# Allegro board OE19_backplane_1v02_b_0705_0920_customer.brd (continued)
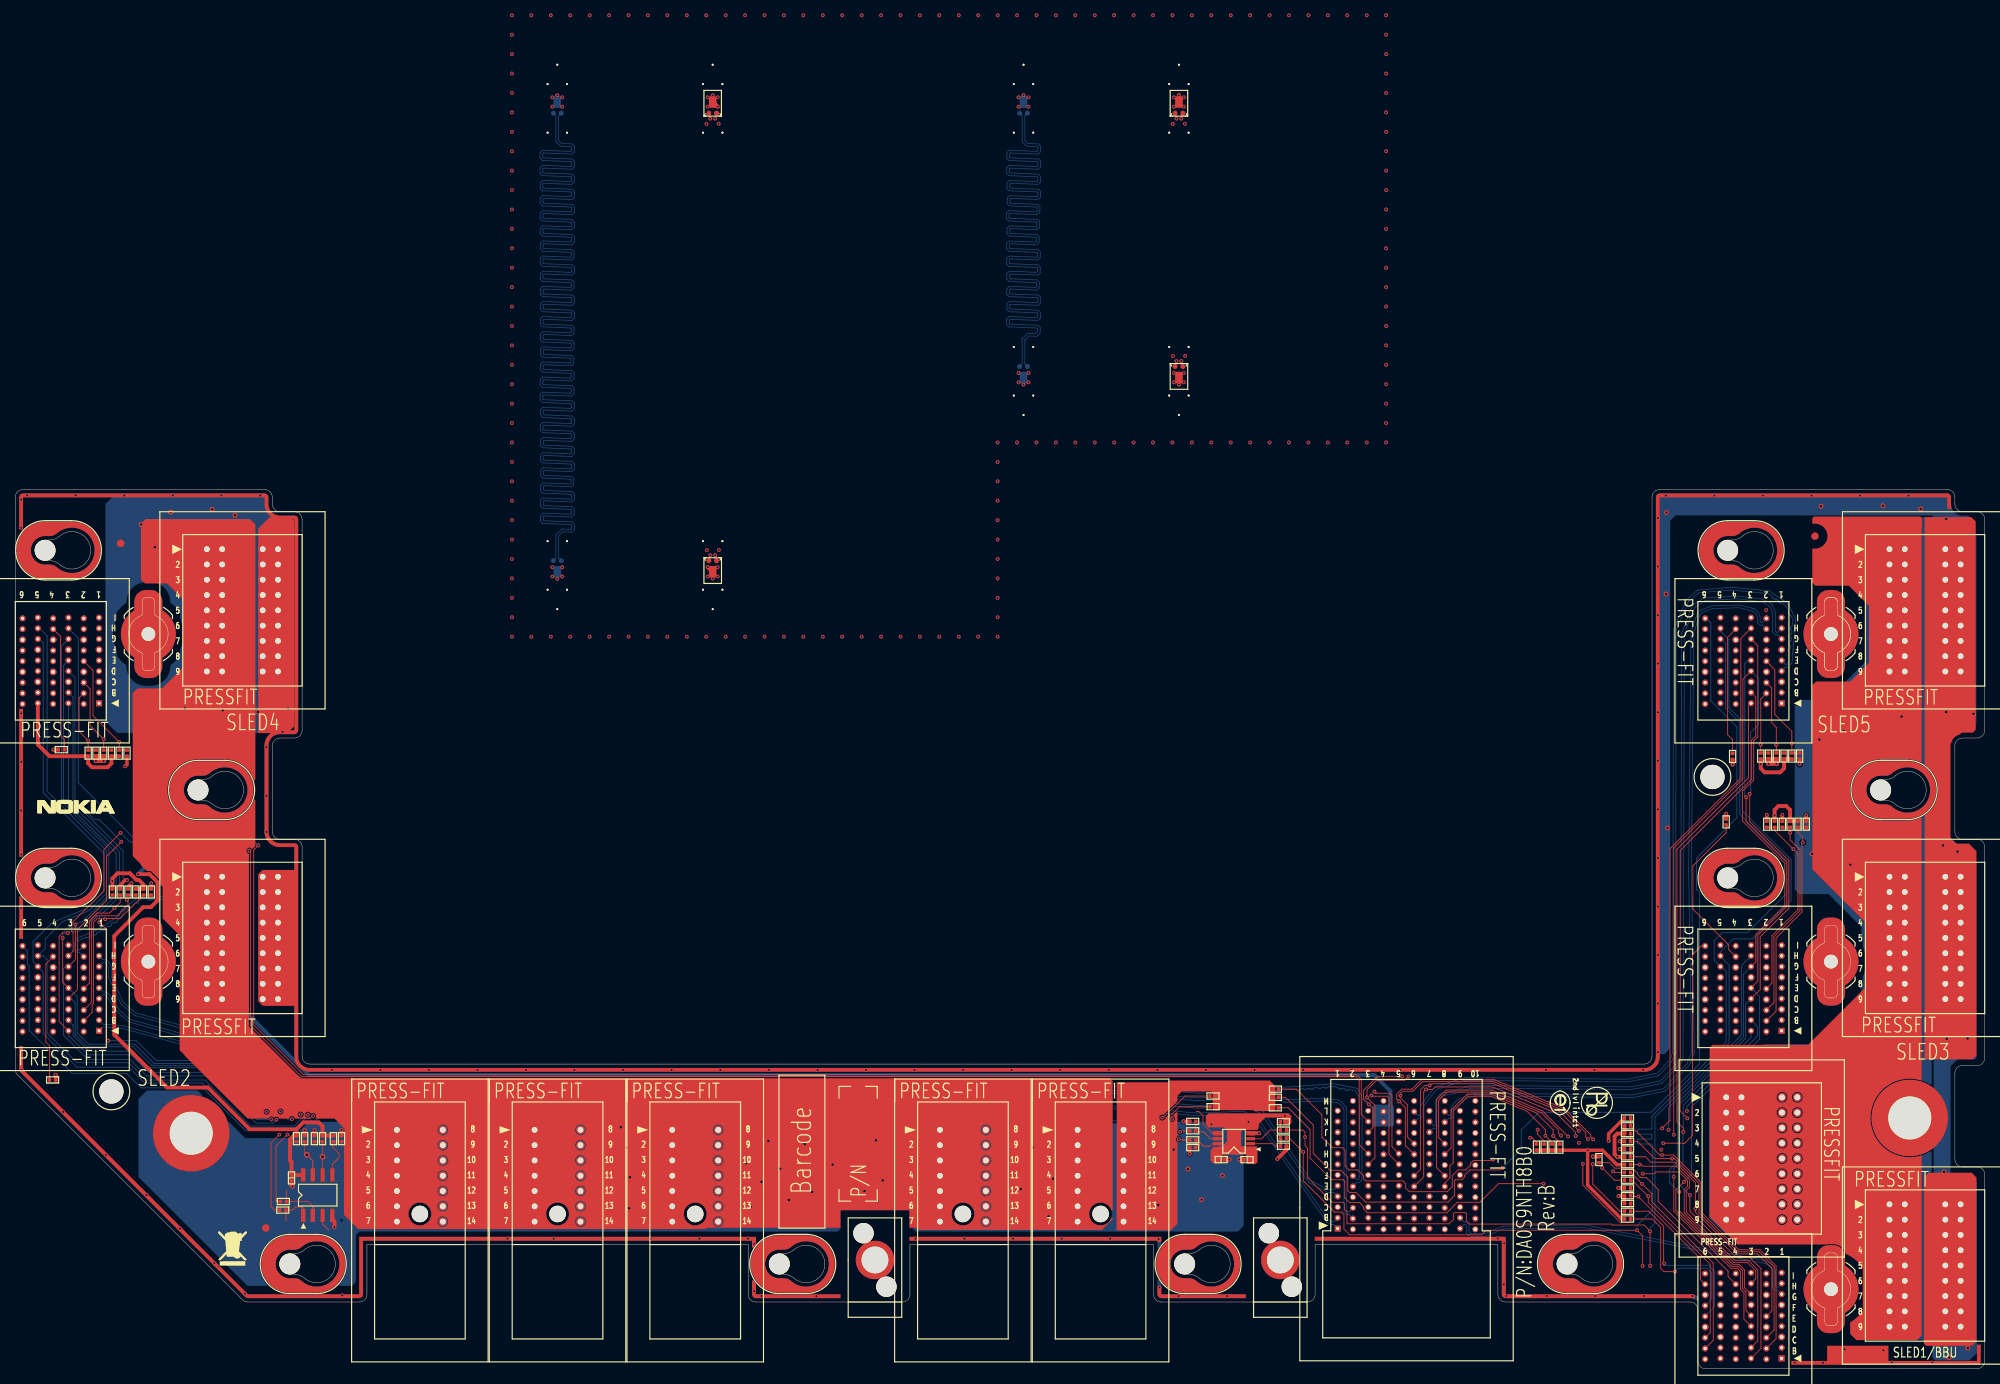
[diagram p0: board, top side]
## Routing (per net, layer and track width the routed paths; a pad name or vN(x,y) marks a point on that pad's centre or on a via; arc(x,y) is an arc through that point) (continued)
FM_BMC_SLED3_READY_N: length 72.1
  TOP w0.114: v1(203.01,30.38) 203.01,30.38 199.68,33.71 193.08,36.44 187.07,36.44 185.84,35.21 185.84,26.29 J8.F8
  IN1 w0.127: v1(203.01,30.38) 205.21,32.58 213.16,32.58 214.76,30.98 215.9,30.98 v1(216.16,31.24)
  BOTTOM w0.114: J10.H3 225.7,52.75 225.7,43.67 216.16,34.12 v1(216.16,31.24)
FM_BMC_SLED4_READY_N: length 225.1
  TOP w0.114: J8.K3 175.98,33.25 175.98,37.86 175.37,38.47 37.68,38.47 31.17,44.98 31.17,67.85 v1(31.77,68.45)
  BOTTOM w0.114: J11.H3 8.24,95.56 8.24,76.65 15.57,69.32 30.9,69.32 v1(31.77,68.45)
FM_BMC_SLED5_READY_N: length 109.6
  TOP w0.114: J12.H3 225.61,95.51 225.61,77.27 216.34,68 216.34,32.47 v1(215.32,31.45) ; J8.I8 186.11,30.23 186.11,35.1 187.18,36.18 193.02,36.18 199.53,33.48 201.79,31.23 201.79,30.8 v1(202.11,30.48)
  IN1 w0.127: v1(202.11,30.48) 204.68,33.05 213.36,33.05 214.95,31.45 v1(215.32,31.45)
FM_RMC_GPIO_0: length 450.7
  TOP w0.114: v1(216.84,25.11) 216.84,20.62 224.35,13.11 225.15,13.11 225.56,12.7 225.56,10.38 226.02,9.93 226.02,6.48 J7.D3 ; v1(13.87,68.94) 11.91,66.98 11.91,61.21 8.12,57.42 8.12,49.57 J9.D3 ; v1(216.85,30.61) 216.85,68.12 225.88,77.16 225.88,90.18 J12.D3 ; J10.D3 228.14,49.59 228.14,56.48 231.89,60.24 231.89,66.46 226.77,71.59 v1(226.77,75.2) ; J8.F6 183.73,26.06 183.73,36.46 184.32,37.05 v1(184.91,37.05) 185.14,37.28 193.25,37.28 201.84,33.72 204.43,31.13 v1(204.43,31.12)
  IN1 w0.127: v1(204.43,31.12) 205.55,32.25 212.71,32.25 214.35,30.61 v1(216.85,30.61) ; v1(184.91,37.05) 181.02,37.05 179.56,38.52 37.35,38.52 32.86,34.02 v1(32.86,33.61)
  BOTTOM w0.114: v1(32.86,33.61) 31.76,33.61 25.72,39.65 17.89,39.65 15.42,42.12 9.41,42.12 7.83,43.7 7.83,47.88 7.31,48.4 J9.D3 ; v1(216.84,25.11) 216.84,26.2 217.62,26.98 217.62,34.61 226.24,43.23 226.24,47.69 J10.D3 ; J11.D3 7.8,90.4 7.8,74.39 10.37,71.83 10.97,71.83 v1(13.87,68.94) ; J12.D3 226.97,91.25 227.91,90.32 227.91,84.22 226.9,83.22 226.9,75.33 v1(226.77,75.2)
FM_RMC_GPIO_1: length 388.3
  TOP w0.114: v1(6.19,56.37) 6.19,50.56 J9.E3 ; J8.H6 181.75,29.19 181.75,30.21 181.74,30.22 181.74,34.15 v1(180.92,34.97) 180.61,35.28 180.61,35.9 181.28,36.56 182.62,36.56 183.87,37.82 193.35,37.82 202.6,33.99 205.98,30.61 205.98,30.34 v1(206.3,30.01) ; v1(226.3,74.77) 226.3,71.56 231.63,66.23 231.63,60.47 227.84,56.68 227.84,50.69 J10.E3 ; J7.E3 226.29,7.61 226.29,10.04 225.83,10.49 225.83,12.81 225.26,13.38 224.46,13.38 217.11,20.73 217.11,23.38 v1(218.18,24.44)
  IN1 w0.127: v1(206.3,30.01) 207.04,29.27 212.78,29.27 214.89,27.16 215.46,27.16 v1(218.18,24.44) ; v1(180.92,34.97) 180.61,35.29 180.61,35.78 179.08,37.3 38.22,37.3 34.67,33.75 v1(34.67,33.64)
  BOTTOM w0.114: J11.E3 6.31,92.01 6.31,74.32 13.18,67.45 13.18,62.53 8.4,57.74 8.19,57.66 6.86,57.66 6.19,56.99 v1(6.19,56.37) ; J12.E3 226.55,92.65 226.13,92.23 226.13,74.94 v1(226.3,74.77) ; J10.E3 228.05,48.7 228.05,43.1 219.17,34.21 219.17,25.43 v1(218.18,24.44) ; v1(34.67,33.64) 34.2,34.11 31.74,34.11 25.94,39.91 18.15,39.91 15.62,42.44 9.58,42.44 8.1,43.93 8.1,48.65 J9.E3
FM_RMC_GPIO_2: length 391.6
  TOP w0.114: J9.G3 7.86,53.51 v1(7.86,58.12) ; J12.G3 227.83,94.57 227.83,82.64 227.29,82.1 227.29,77.01 225.83,75.55 225.83,71.65 231.36,66.12 231.36,60.58 227.57,56.79 227.57,53.22 J10.G3 ; J7.G3 226.1,10.6 226.1,12.93 225.37,13.65 224.57,13.65 217.58,20.65 v1(217.58,23.11) ; J8.I6 182.01,30.33 182.01,34.54 181.11,35.44 v1(181.11,35.74) 181.11,36.02 181.39,36.3 182.73,36.3 183.98,37.55 193.3,37.55 202.44,33.76 205.34,30.87 205.34,30.32 v1(205.62,30.03)
  IN1 w0.127: v1(181.11,35.74) 179.22,37.63 164.55,37.63 164.53,37.65 38.01,37.65 34.14,33.78 v1(34.14,32.58) ; v1(205.62,30.03) 205.62,30.02 206.7,28.94 208.86,28.94 209.55,28.26 212.96,28.26 217.58,23.64 v1(217.58,23.11)
  BOTTOM w0.114: J9.G3 6.55,52.6 6.29,52.33 6.29,43.65 9.48,40.46 15,40.46 17.15,38.31 25.29,38.31 31.48,32.12 33.68,32.12 v1(34.14,32.58) ; J10.G3 225.97,51.62 225.97,43.43 217.36,34.82 217.36,27.09 216.26,25.98 216.26,24.43 v1(217.58,23.11) ; J11.G3 6.05,94.55 6.05,74.21 12.23,68.03 12.23,61.95 8.78,58.51 v1(7.86,58.12)
FM_SLED1_PRSNT_N: length 85.8
  TOP w0.114: R36.2 v1(212.37,26.7) 212.62,26.7 212.83,26.48 217.17,26.48 218.91,24.75 218.91,23.73 218.48,23.31 218.48,20.5 224.79,14.18 226.56,14.18 227.83,12.91 227.83,3.63 J7.B3
  IN1 w0.127: v1(212.37,26.7) 212.62,26.7 213.36,25.96 213.36,25.26 213.11,25.01 198.47,25.01 195.3,28.18 195.3,31.67 191.31,35.66 188.94,35.66 188.09,34.81 188.09,20.83 J8.B8
FM_SLED2_PRSNT_N: length 217.2
  TOP w0.114: v1(182.15,38.23) 181.65,37.73 177.98,37.73 176.73,36.48 v1(176.73,35.49) 177.78,34.45 177.78,27.61 J8.G3 ; R35.2 199.91,29.79 199.04,30.65 v1(199.04,31.27)
  IN1 w0.127: v1(199.04,31.27) 199.04,31.92 192.48,38.48 182.41,38.48 v1(182.15,38.23) ; v1(176.73,35.49) 176.73,35.59 176.32,36.01 39.01,36.01 36.17,33.17 v1(36.17,32.66)
  BOTTOM w0.114: v1(36.17,32.66) 35.59,32.66 35.16,33.09 31.71,33.09 25.41,39.38 17.54,39.38 15.39,41.53 9.62,41.53 7.56,43.59 7.56,44.94 6.95,45.55 J9.B3
FM_SLED3_PRSNT_N: length 62.7
  TOP w0.114: J8.E8 186.9,24.3 187.58,24.98 187.58,26.53 188,26.95 188,33.7 189.95,35.64 192.92,35.64 197.63,33.69 200.06,31.26 v1(200.06,30.47) 200.92,29.61 R34.2
  IN1 w0.127: v1(218.57,33.71) 203.3,33.71 v1(200.06,30.47)
  BOTTOM w0.114: v1(218.57,33.71) 218.57,34.28 227.79,43.5 227.79,44.76 J10.B3
FM_SLED4_PRSNT_N: length 255.9
  TOP w0.114: v1(198.07,30.21) 198.33,30.21 198.89,29.65 R33.2 ; J8.J3 177.51,31.54 177.51,34.05 v1(176.97,34.59) 176.27,35.29 176.27,36.39 178.12,38.25 v1(181.34,38.25) ; v1(11,58.39) 11.94,57.45 11.94,43.11 v1(12.13,42.92)
  IN1 w0.127: v1(176.97,34.59) 175.93,35.63 39.16,35.63 37.48,33.94 37.48,33.4 v1(37.32,33.24) ; v1(181.34,38.25) 181.83,37.76 182.46,37.76 182.85,38.15 192.34,38.15 198.07,32.43 v1(198.07,30.21)
  BOTTOM w0.114: v1(11,58.39) 11,59.16 14.09,62.25 14.09,67.73 7.54,74.28 7.54,87.86 J11.B3 ; v1(37.32,33.24) 35.92,33.24 34.7,34.46 31.85,34.46 26,40.31 18.43,40.31 15.83,42.92 v1(12.13,42.92)
FM_SLED5_PRSNT_N: length 103.4
  TOP w0.114: J8.H8 187.73,28.87 187.73,33.81 189.84,35.91 192.97,35.91 198.84,33.48 201.08,31.24 v1(201.08,30.45) 201.94,29.59 R30.2 ; J12.B3 227.56,87.84 227.56,82.75 227.03,82.21 227.03,77.12 217.68,67.78 217.68,33.7 v1(218.63,32.76)
  IN1 w0.127: v1(201.08,30.45) 204,33.38 218.01,33.38 v1(218.63,32.76)
IRQ_RMC_ALERT_N: length 400.7
  TOP w0.114: v1(218.94,22.71) 218.94,20.63 224.97,14.6 226.74,14.6 228.25,13.09 228.25,2.65 J7.A3 ; v1(6.85,57) 6.17,57 5.73,56.56 5.73,45.42 J9.A3 ; J12.A3 226.61,86.71 226.61,77.29 217.26,67.95 217.26,32.29 218.09,31.47 v1(218.09,30.96) ; v1(204.02,30.45) 204.02,30.91 201.53,33.4 193.16,36.86 185.66,36.86 185.33,36.53 v1(184.45,36.53) 184.15,36.23 184.15,25.08 J8.E6
  IN1 w0.127: v1(33.47,32.61) 33.47,33.87 37.69,38.09 179.38,38.09 180.93,36.53 v1(184.45,36.53) ; v1(218.09,30.96) 217.26,30.14 214.21,30.14 212.99,31.35 205.88,31.35 204.97,30.45 v1(204.02,30.45)
  BOTTOM w0.114: v1(6.85,57) 7.07,57.21 8.2,57.21 8.63,57.39 13.64,62.39 13.64,67.59 6.95,74.28 J11.A3 ; J10.A3 226.95,43.33 218.09,34.47 v1(218.09,30.96) 218.04,30.92 218.04,26.7 217.45,26.11 217.45,24.21 v1(218.94,22.71) ; v1(33.47,32.61) 31.59,32.61 25.43,38.77 17.44,38.77 15.14,41.07 9.48,41.07 6.95,43.6 J9.A3
LAN_SLED1_MDIN0: length 53
  IN2 w0.114: J8.C10 191.39,20.55 196.73,20.55 205.38,20.36 217.8,15.19 227.62,15 229.06,14.38 230.16,13.28 230.16,2.4 230.3,2.26 230.46,2.26 J7.B1
LAN_SLED1_MDIN1: length 53.7
  IN2 w0.114: J7.E1 231.44,6.46 232.05,6.46 232.26,6.55 232.31,6.6 232.46,6.95 232.49,7.94 232.3,8.13 232.31,8.48 232.5,8.66 232.51,9 232.33,9.2 232.34,9.54 232.53,9.72 232.54,10.07 232.36,10.26 232.36,10.6 232.56,10.79 232.57,11.13 232.38,11.32 232.39,11.67 232.58,11.85 232.59,12.24 232.59,12.79 232.37,13.14 232.02,13.2 231.83,13.49 231.9,13.83 231.53,14.39 231,14.61 230.69,14.48 230.37,14.61 230.25,14.92 227.88,15.9 220.35,15.97 218.06,16.91 217.74,16.77 217.42,16.91 217.28,17.23 216.97,17.37 216.64,17.23 216.32,17.36 216.18,17.69 206.67,21.63 193.13,24.32 191.39,24.32 J8.E10
LAN_SLED1_MDIN2: length 47.1
  BOTTOM w0.099: J7.H1 230.43,10.63 230.29,10.63 230.13,10.79 230.13,12.88 229.88,13.48 229.54,13.82 228.81,14.12 205.17,18.82 194.52,18.65 192.12,17.65 190.43,17.65 190.27,17.72 190.12,17.87 190.08,17.98 190.08,18.86 189.73,19.21 189.42,19.21 J8.B9
LAN_SLED1_MDIN3: length 48.4
  IN2 w0.114: J7.I2 228.46,11.96 228.3,11.96 228.16,12.1 228.16,13.14 227.78,13.52 227.24,13.74 219.29,13.81 217.85,13.81 205.26,19.02 195.96,19.25 194.22,18.92 191.16,17.65 190.45,17.65 190.11,17.99 190.11,23.06 189.73,23.45 189.39,23.45 J8.E9
LAN_SLED1_MDIP0: length 53
  IN2 w0.114: J7.A1 230.46,1.84 230.12,1.84 229.74,2.22 229.74,13.1 228.82,14.02 227.53,14.57 217.71,14.77 205.29,19.94 196.72,20.12 191.39,20.12 J8.B10
LAN_SLED1_MDIP1: length 53.6
  IN2 w0.114: J7.D1 231.44,6.04 232.14,6.04 232.5,6.19 232.67,6.36 232.89,6.86 233.02,12.23 233.02,12.92 231.81,14.73 227.97,16.32 220.43,16.39 206.79,22.04 193.17,24.75 191.39,24.75 J8.F10
LAN_SLED1_MDIP2: length 47.1
  BOTTOM w0.099: J8.A9 189.42,18.86 189.58,18.86 189.72,18.72 189.72,17.91 189.82,17.67 190.07,17.42 190.36,17.3 192.19,17.3 194.59,18.29 205.14,18.47 228.71,13.78 229.34,13.52 229.58,13.28 229.77,12.81 229.77,10.64 230.14,10.27 230.43,10.27 J7.G1
LAN_SLED1_MDIP3: length 48.5
  IN2 w0.114: J7.H2 228.46,11.54 228.12,11.54 227.74,11.92 227.74,12.96 227.54,13.16 227.15,13.32 219.29,13.38 217.76,13.38 205.17,18.6 195.99,18.82 194.35,18.51 191.24,17.22 190.27,17.22 189.69,17.81 189.69,22.88 189.55,23.02 189.39,23.02 J8.D9
LAN_SLED2_MDIN0: length 172.5
  BOTTOM w0.099: J9.B1 11.51,45.04 11.97,45.04 14.18,44.83 25.69,41.71 37.21,34.27 41.45,34.39 49.09,33.94 62.97,34.36 65.1,34.21 71.59,34.59 84.85,34.49 99.57,33.55 120.69,34.59 131.16,33.79 140.67,34.61 154.56,33.44 157.52,33.55 160.61,33.67 162.54,32.65 171.68,19.46 172.16,19.21 172.38,19.21 J8.B1
LAN_SLED2_MDIN1: length 172.1
  BOTTOM w0.099: J9.E1 11.47,49.28 11.86,49.28 12.19,49.09 13.21,47.41 13.77,46.75 14.99,45.69 26.01,42.67 37.49,35.26 42.16,35.4 46.1,35.17 58.97,35.56 60.34,35.53 65.11,35.2 71.57,35.58 84.88,35.48 99.58,34.54 120.7,35.57 131.15,34.78 140.67,35.6 154.58,34.42 160.79,34.67 163.12,33.66 169.41,24.6 171.68,23.41 172.38,23.41 J8.E1
LAN_SLED2_MDIN2: length 185.6
  BOTTOM w0.099: J9.H1 11.47,53.48 11.93,53.48 12.28,53.12 12.55,52.49 12.55,51.27 14.13,47.91 15.75,46.54 26.31,43.65 37.76,36.25 42.17,36.39 46.07,36.16 59.64,36.57 65.11,36.19 71.54,36.56 71.56,36.56 84.91,36.46 84.92,36.46 99.58,35.53 120.71,36.56 131.15,35.77 140.67,36.59 154.6,35.41 162.83,35.73 166.25,35.19 170.89,35.38 172.89,35.18 173.46,34.88 173.99,34.23 174.08,33.93 174.08,20.67 174.24,20.51 174.38,20.51 J8.C2
LAN_SLED2_MDIN3: length 202.1
  BOTTOM w0.099: J9.I2 8.43,54.78 8.29,54.78 8.13,54.94 8.13,55.65 8.28,56.02 9.34,56.45 9.51,56.38 9.78,56.5 9.86,56.67 10.13,56.78 10.3,56.71 10.58,56.83 10.65,57 10.99,57.14 11.32,57.36 11.55,57.31 11.79,57.48 11.84,57.7 12.09,57.86 12.31,57.82 12.56,57.98 12.6,58.2 12.85,58.36 13.07,58.32 13.32,58.48 13.36,58.7 13.85,59.02 14.2,59.84 14.92,60.36 15.14,60.32 15.38,60.49 15.42,60.71 15.66,60.88 15.88,60.85 16.12,61.02 16.15,61.24 16.55,61.53 17.25,61.48 17.39,61.32 17.68,61.3 17.85,61.44 18.14,61.42 18.29,61.26 18.58,61.24 18.74,61.38 20.02,61.3 21.13,60.61 22,59.14 22.27,58.17 22.17,52.27 21.97,49.96 22.2,47.68 22.42,46.95 23,46.26 26.21,44.68 38.35,37.01 42.22,37.06 46.21,36.83 59.35,37.22 65.12,36.82 71.53,37.2 84.94,37.09 95.91,36.39 99.59,36.16 121.05,37.21 131.4,36.43 140.67,37.22 154.62,36.04 163.89,36.41 164.06,36.25 164.36,36.26 164.52,36.43 164.82,36.44 164.99,36.28 165.29,36.29 165.45,36.47 167.12,36.53 167.52,36.56 167.67,36.44 167.96,36.46 168.09,36.61 168.39,36.63 168.54,36.5 168.84,36.52 168.96,36.67 169.26,36.69 169.41,36.57 169.71,36.59 169.84,36.74 170.26,36.77 170.4,36.65 170.7,36.67 170.82,36.81 171.12,36.83 171.26,36.71 171.55,36.74 171.67,36.87 172.31,36.92 172.93,36.8 173.05,36.63 173.34,36.57 173.52,36.69 173.81,36.63 173.93,36.46 174.22,36.4 174.4,36.52 175.19,36.37 175.62,35.71 175.72,35.26 175.72,24.87 175.56,24.71 175.42,24.71 J8.F2
LAN_SLED2_MDIP0: length 172.4
  BOTTOM w0.099: J8.A1 172.38,18.86 172.07,18.86 171.44,19.19 162.3,32.38 160.52,33.32 154.55,33.08 147.61,33.67 140.67,34.25 131.16,33.44 120.68,34.23 99.57,33.2 84.84,34.14 71.6,34.24 65.1,33.86 62.96,34.01 49.09,33.59 41.44,34.04 37.11,33.91 25.54,41.38 14.11,44.48 11.95,44.69 11.44,44.69 J9.A1
LAN_SLED2_MDIP1: length 172.1
  BOTTOM w0.099: J8.D1 172.38,23.06 171.59,23.06 169.17,24.33 162.89,33.37 160.72,34.31 154.57,34.07 140.67,35.24 131.15,34.43 120.69,35.22 99.58,34.19 84.87,35.12 71.58,35.23 65.11,34.85 60.32,35.18 58.97,35.2 46.09,34.82 42.15,35.05 37.39,34.9 25.86,42.35 14.82,45.37 13.52,46.5 12.92,47.2 11.94,48.83 11.77,48.92 11.47,48.92 J9.D1
LAN_SLED2_MDIP2: length 185.6
  BOTTOM w0.099: J8.B2 174.38,20.16 174.09,20.16 173.72,20.52 173.72,33.88 173.67,34.06 173.23,34.6 172.79,34.84 170.88,35.02 166.23,34.84 162.81,35.38 154.59,35.06 140.67,36.23 131.18,35.42 131.15,35.42 120.71,36.21 99.58,35.17 92.23,35.64 84.91,36.11 71.55,36.21 65.11,35.83 59.63,36.21 46.06,35.81 42.17,36.04 37.66,35.9 26.16,43.33 15.59,46.22 13.84,47.69 12.19,51.19 12.19,52.42 11.98,52.92 11.78,53.12 11.47,53.12 J9.G1
LAN_SLED2_MDIP3: length 202.2
  BOTTOM w0.099: J8.E2 175.42,24.36 175.71,24.36 176.08,24.72 176.08,35.29 175.95,35.85 175.41,36.69 174.47,36.87 174.47,36.87 172.33,37.28 167.09,36.89 154.62,36.4 140.67,37.58 131.4,36.78 121.06,37.56 99.59,36.51 92.27,36.98 84.95,37.45 78.24,37.5 78.24,37.5 71.52,37.55 65.12,37.18 59.35,37.57 46.22,37.18 42.23,37.41 38.45,37.36 26.39,44.99 23.22,46.55 22.73,47.12 22.55,47.74 22.33,49.96 22.53,52.25 22.63,58.22 22.33,59.28 21.39,60.87 20.13,61.64 16.45,61.89 13.92,60.07 13.81,59.82 13.57,59.26 11.25,57.73 11.25,57.74 10.83,57.46 10.52,57.33 9.2,56.78 9.2,56.78 8.01,56.29 7.77,55.72 7.77,54.79 8.14,54.42 8.43,54.42 J9.H2
LAN_SLED3_MDIN0: length 48.9
  IN2 w0.114: J10.B1 231.44,45.11 232.13,45.11 232.66,44.58 232.66,44 231.74,41.76 231.31,41.34 230.89,40.92 228.04,39.73 221.5,39.23 220.58,38.82 216.4,34.77 213.57,33.58 195.13,33.39 193.73,32.81 191.48,32.81 J8.K10
LAN_SLED3_MDIN1: length 58.6
  IN2 w0.114: J8.H10 191.35,28.48 192.18,28.48 195.27,29.77 196.5,30.99 199.18,32.12 213.83,32.33 217.02,33.64 221.07,37.49 222.34,38.01 228.63,38.15 231,39.04 234.96,42.74 235.23,43.36 235.23,47.5 234.43,48.3 231.98,49.31 231.44,49.31 J10.E1
LAN_SLED3_MDIN2: length 62.9
  IN2 w0.114: J8.H9 189.39,27.65 189.55,27.65 189.69,27.79 189.69,35.25 190.5,36.07 191.32,36.07 195.6,35.22 213.39,35.33 215.3,36.13 220.08,40.76 221.9,41.51 222.01,41.54 222.12,41.56 224.44,41.68 227.49,41.96 229.17,42.65 229.74,44.02 229.74,53.13 230.12,53.51 230.46,53.51 J10.H1
LAN_SLED3_MDIN3: length 60.5
  IN2 w0.114: J10.I2 228.46,54.81 228.12,54.81 227.74,54.43 227.74,44.01 227.12,43.4 225.46,43.24 222.07,42.9 221.89,42.87 219.32,41.8 214.58,37.19 213.1,36.58 195.92,36.76 191.89,37.32 189.99,37.32 188.62,36.75 188.39,36.52 187.69,34.83 187.69,31.81 188.07,31.42 188.41,31.42 J8.J9
LAN_SLED3_MDIP0: length 48.9
  IN2 w0.114: J8.L10 191.3,33.24 191.62,33.24 191.91,33.53 192.23,33.53 192.52,33.24 193.64,33.24 195.05,33.82 213.49,34.01 216.16,35.13 220.34,39.18 221.39,39.65 222.06,39.7 222.33,40.02 222.65,40.04 222.96,39.77 223.28,39.8 223.55,40.11 223.86,40.14 224.17,39.87 224.49,39.89 224.76,40.2 225.08,40.23 225.39,39.96 225.71,39.98 225.98,40.3 226.29,40.32 226.61,40.05 227.94,40.15 230.65,41.28 231.37,42.01 231.63,42.61 231.47,43 231.59,43.29 231.97,43.45 232.24,44.09 232.24,44.4 231.95,44.69 231.44,44.69 J10.A1
LAN_SLED3_MDIP1: length 58.6
  IN2 w0.114: J10.D1 231.44,48.89 231.9,48.89 232.29,48.72 232.39,48.49 232.71,48.36 232.94,48.45 233.26,48.32 233.36,48.09 233.67,47.95 233.91,48.05 234.18,47.94 234.8,47.32 234.8,46.72 234.59,46.51 234.59,46.17 234.8,45.96 234.8,45.61 234.59,45.41 234.59,45.06 234.8,44.86 234.8,44.51 234.59,44.3 234.59,43.96 234.8,43.75 234.8,43.45 234.61,42.99 234.22,42.63 233.97,42.64 233.72,42.41 233.71,42.16 233.46,41.92 233.21,41.93 232.96,41.7 232.95,41.45 232.7,41.22 232.45,41.22 232.2,40.99 232.2,40.74 231.94,40.51 231.7,40.52 231.44,40.28 231.44,40.03 230.77,39.41 228.55,38.58 222.25,38.43 220.84,37.85 216.79,34 213.74,32.76 199.09,32.55 196.26,31.35 195.03,30.13 192.09,28.91 191.42,28.91 J8.I10
LAN_SLED3_MDIP2: length 62.9
  IN2 w0.114: J8.G9 189.39,27.22 189.73,27.22 190.11,27.61 190.11,35.07 190.68,35.64 191.27,35.64 195.56,34.79 213.48,34.9 213.56,34.94 213.56,34.94 215.54,35.77 220.32,40.39 222.03,41.11 222.18,41.14 224.47,41.25 227.59,41.54 229.5,42.33 230.16,43.93 230.16,52.95 230.3,53.09 230.46,53.09 J10.G1
LAN_SLED3_MDIP3: length 60.5
  IN2 w0.114: J8.K9 188.41,31.85 188.25,31.85 188.11,31.99 188.11,32.95 188.31,33.14 188.31,33.49 188.11,33.68 188.11,34.75 188.23,35.03 188.5,35.14 188.63,35.46 188.52,35.72 188.75,36.28 188.86,36.39 189.17,36.52 189.37,36.43 189.69,36.57 189.77,36.77 190.08,36.89 191.86,36.89 192.74,36.77 192.87,36.6 193.24,36.55 193.41,36.68 193.75,36.63 193.9,36.44 194.24,36.39 194.43,36.53 194.77,36.49 194.92,36.29 195.26,36.25 195.45,36.39 195.89,36.33 213.19,36.16 214.82,36.82 219.56,41.44 222.02,42.46 222.14,42.48 223.13,42.58 223.29,42.45 223.63,42.49 223.75,42.64 224.09,42.67 224.25,42.55 224.59,42.58 224.71,42.73 225.06,42.77 225.21,42.64 225.55,42.68 225.68,42.83 226.22,42.88 226.38,42.74 226.73,42.78 226.86,42.95 227.32,42.99 228.16,43.84 228.16,54.25 228.3,54.39 228.46,54.39 J10.H2
LAN_SLED4_MDIN0: length 207
  IN2 w0.114: J8.H1 172.41,27.65 171.83,27.65 170.72,28.11 167.59,30.35 161.4,33.41 155.14,34.23 117.74,33.55 111.8,34 65.5,33.71 39.31,34.05 17.05,44.17 14.45,46.91 13.04,50.5 13.01,55.57 13.99,59.72 14.13,60.67 13.25,65.9 13.22,66.38 13.33,66.5 13.31,66.84 13.19,66.95 12.57,79.09 13.14,86.11 12.56,87.67 12.14,87.96 11.44,87.96 J11.B1
LAN_SLED4_MDIN1: length 203.3
  IN2 w0.114: J8.K1 172.41,31.85 171.37,31.85 166.04,34.06 155.21,35.49 117.78,34.8 108.17,35.53 65.51,35.27 39.41,35.6 34.76,37.79 23.2,45.95 22.36,47.77 22.29,48.81 22.43,48.96 22.41,49.3 22.25,49.44 21.56,60.6 21.41,61.24 16.12,74.67 15.04,86.73 13.23,91.08 12.34,91.98 11.9,92.16 11.44,92.16 J11.E1
LAN_SLED4_MDIN2: length 212.9
  IN2 w0.114: J11.H1 11.44,96.36 11.94,96.36 12.37,95.93 12.57,95.45 12.57,94.33 13.09,93.08 15.98,90.19 16.11,89.93 17.72,75.06 19.36,72.12 28.65,64.95 28.87,64.51 29.2,49.11 29.62,47.22 31.26,43.5 35.79,39.16 37.76,37.81 40.69,36.87 65.52,36.55 107.81,36.81 117.81,36.06 155.28,36.74 167.83,35.08 172.39,35.28 173.57,34.79 174.11,33.98 174.11,29.09 174.25,28.95 174.41,28.95 J8.I2
LAN_SLED4_MDIN3: length 232.6
  IN2 w0.114: J11.I2 8.46,97.66 8.28,97.66 8.16,97.78 8.16,98.69 8.29,98.82 8.35,98.88 8.35,99.22 8.29,99.28 8.16,99.4 8.16,99.63 8.24,99.8 8.85,100.34 9.05,100.33 9.31,100.55 9.32,100.76 9.58,100.98 9.78,100.97 10.04,101.2 10.05,101.4 10.51,101.81 11.23,102.08 11.41,101.99 11.74,102.12 11.82,102.3 12.14,102.42 12.32,102.34 12.64,102.46 12.73,102.64 13.11,102.79 13.58,102.82 13.8,102.63 14.14,102.66 14.33,102.88 14.68,102.91 14.9,102.72 15.24,102.74 15.43,102.97 15.77,102.99 16,102.8 16.34,102.83 16.53,103.05 16.87,103.08 17.09,102.89 17.44,102.91 17.63,103.14 17.92,103.16 18.96,102.95 19.26,102.79 19.34,102.54 19.65,102.38 19.9,102.46 20.2,102.31 20.28,102.05 20.59,101.9 20.84,101.98 21.14,101.82 21.78,100.81 21.82,99.89 21.64,99.7 21.65,99.36 21.85,99.17 22.12,92.25 22.12,92.19 19.21,78.98 19.24,75.18 19.65,73.96 21.09,72.02 26.54,68.26 29.52,65.6 30.21,64.11 30.39,56.24 30.57,48.37 31.18,46.96 32.01,46.17 37.24,39.19 38.82,38.57 38.91,38.37 39.23,38.24 39.42,38.33 40.44,37.93 41.37,37.75 65.52,37.44 101.21,37.66 101.37,37.64 109.1,37.79 109.12,37.79 116.81,37.1 159.87,37.62 166.96,36.99 167.19,36.72 167.44,36.7 167.72,36.93 168.06,36.9 168.24,36.69 168.58,36.66 168.79,36.83 169.13,36.8 169.3,36.59 169.65,36.56 169.86,36.74 170.19,36.71 170.37,36.5 170.71,36.47 170.92,36.64 171.26,36.61 171.44,36.4 171.78,36.37 171.99,36.55 174.17,36.35 175.47,35.81 175.69,35.29 175.69,33.29 175.55,33.15 175.39,33.15 J8.L2
LAN_SLED4_MDIP0: length 206.9
  IN2 w0.114: J11.A1 11.44,87.54 12.01,87.54 12.21,87.4 12.7,86.05 12.15,79.1 12.82,65.86 13.7,60.66 13.57,59.8 12.59,55.62 12.62,50.42 14.08,46.68 16.8,43.81 39.22,33.63 65.5,33.29 111.78,33.57 117.73,33.12 155.12,33.81 156.66,33.6 161.27,32.99 167.37,29.98 170.51,27.73 171.74,27.22 172.41,27.22 J8.G1
LAN_SLED4_MDIP1: length 203.2
  IN2 w0.114: J11.D1 11.44,91.74 11.81,91.74 12.09,91.62 12.87,90.84 14.62,86.63 15.7,74.57 21,61.12 21.13,60.54 21.86,48.96 21.94,47.67 22.86,45.67 34.55,37.42 39.31,35.18 65.51,34.84 108.15,35.1 117.76,34.38 155.19,35.06 165.93,33.64 171.29,31.42 172.41,31.42 J8.J1
LAN_SLED4_MDIP2: length 212.9
  IN2 w0.114: J11.G1 11.44,95.94 11.76,95.94 12.01,95.69 12.15,95.36 12.15,94.25 12.73,92.84 12.79,92.78 15.63,89.94 15.64,89.93 15.66,89.87 15.69,89.81 17.31,74.93 19.04,71.84 28.31,64.67 28.45,64.4 28.78,49.06 29.21,47.09 30.9,43.25 35.52,38.83 37.57,37.42 40.62,36.44 65.52,36.12 107.79,36.38 117.8,35.63 155.26,36.32 167.82,34.66 172.32,34.85 173.29,34.45 173.69,33.85 173.69,28.91 174.07,28.52 174.41,28.52 J8.H2
LAN_SLED4_MDIP3: length 232.6
  IN2 w0.114: J8.K2 175.39,32.72 175.73,32.72 176.11,33.11 176.11,35.37 175.8,36.14 174.27,36.77 166.99,37.42 159.89,38.05 116.82,37.53 109.15,38.21 109.11,38.21 101.38,38.07 101.23,38.08 65.52,37.87 41.42,38.17 40.56,38.34 37.51,39.54 32.33,46.45 31.54,47.21 30.99,48.46 30.63,64.2 29.87,65.86 26.81,68.6 21.39,72.33 20.03,74.16 19.67,75.25 19.64,78.93 22.54,92.13 22.55,92.24 22.46,94.44 22.46,94.44 22.21,100.94 21.43,102.15 19.11,103.35 17.95,103.59 13.02,103.21 10.29,102.18 7.88,100.06 7.74,99.71 7.74,97.6 8.1,97.24 8.46,97.24 J11.H2
LAN_SLED5_MDIN0: length 92.6
  IN2 w0.114: J12.B1 230.46,87.96 230.12,87.96 229.74,87.58 229.74,86.7 229.69,86.58 227.36,84.25 219.02,64.12 217.94,58.68 216.82,43.21 215.37,39.7 214.02,38.38 212.95,37.95 205.35,37.95 197.87,37.99 191.96,38.57 185.51,38.57 183.61,37.79 182.16,36.33 181.69,35.19 181.69,31.99 181.55,31.85 181.39,31.85 J8.K5
LAN_SLED5_MDIN1: length 121.6
  BOTTOM w0.099: J12.E1 231.47,92.13 231.61,92.13 231.95,92.46 232.04,93.55 231.87,93.76 231.89,94.06 232.1,94.24 232.13,94.53 231.95,94.74 231.98,95.04 232.19,95.22 232.21,95.52 232.04,95.73 232.06,96.02 232.27,96.2 232.3,96.5 232.12,96.71 232.15,97.01 232.36,97.19 232.43,97.97 232.15,98.54 231.95,98.61 231.82,98.88 231.89,99.08 231.69,99.5 231.26,100 230.99,100.18 230.76,100.14 230.51,100.31 230.47,100.53 230.22,100.7 230,100.65 229.75,100.82 229.71,101.04 229.18,101.4 224.36,101.85 220.09,101.5 218.8,100.38 217.17,96.66 217.04,41.15 216.55,40.14 214.86,38.32 210.8,37.51 189.57,37.73 186.05,36.62 185.65,36.33 184.13,34.34 184.08,34.17 184.08,33.12 183.71,32.76 183.42,32.76 J8.K6
LAN_SLED5_MDIN2: length 113.3
  BOTTOM w0.099: J12.H1 230.43,96.33 230.29,96.33 230.13,96.49 230.13,98.93 229.69,99.97 228.45,100.66 225.15,101.07 220.78,100.81 219.43,99.92 219.05,99.29 217.88,96.22 217.71,40.8 217.44,40.13 215.09,37.64 211.26,36.87 191.65,37.04 190.21,37.04 188.2,36.37 186.53,36.06 186.15,35.8 185.72,35.1 185.72,31.97 185.56,31.81 185.42,31.81 J8.K7
LAN_SLED5_MDIN3: length 104.9
  BOTTOM w0.099: J8.L8 187.42,33.11 187.56,33.11 187.72,33.27 187.72,34.07 188.18,34.81 188.66,35.23 190.14,35.89 190.93,36.05 211.39,35.81 213.45,36.22 213.45,36.22 215.51,36.63 218.58,39.89 219.17,41.42 218.79,65.14 219.11,96.4 219.93,98.76 220.36,99.21 221.81,99.77 225.43,99.9 227.32,99.42 227.81,99.03 228.13,98.38 228.13,97.79 228.29,97.63 228.43,97.63 J12.I2
LAN_SLED5_MDIP0: length 92.7
  IN2 w0.114: J8.J5 181.39,31.42 181.73,31.42 182.11,31.81 182.11,35.1 182.52,36.09 183.85,37.42 185.6,38.15 191.93,38.15 197.84,37.56 205.35,37.52 213.04,37.52 214.25,38.02 215.73,39.46 217.24,43.11 217.27,43.43 217.43,43.57 217.45,43.91 217.31,44.07 218.37,58.62 219.43,64 227.72,84.01 230.05,86.33 230.16,86.61 230.16,87.4 230.3,87.54 230.46,87.54 J12.A1
LAN_SLED5_MDIP1: length 121.7
  BOTTOM w0.099: J12.D1 231.47,91.77 231.76,91.77 232.29,92.31 232.79,98.03 231.99,99.69 231.5,100.26 231.18,100.48 229.31,101.74 224.36,102.21 219.95,101.84 218.5,100.6 216.81,96.74 216.69,41.23 216.26,40.34 214.68,38.64 210.77,37.86 189.52,38.08 189.47,38.07 185.89,36.94 185.4,36.59 183.82,34.51 183.72,34.23 183.72,33.27 183.56,33.11 183.42,33.11 J8.L6
LAN_SLED5_MDIP2: length 113.3
  BOTTOM w0.099: J8.J7 185.42,31.46 185.71,31.46 186.08,31.82 186.08,35 186.41,35.55 186.67,35.72 188.29,36.03 190.27,36.69 191.64,36.69 211.29,36.52 215.27,37.31 217.74,39.94 218.06,40.73 218.24,96.15 219.37,99.13 219.69,99.67 220.89,100.47 225.13,100.71 228.34,100.32 229.41,99.72 229.77,98.86 229.77,96.34 230.14,95.97 230.43,95.97 J12.G1
LAN_SLED5_MDIP3: length 105
  BOTTOM w0.099: J12.H2 228.43,97.27 228.14,97.27 227.77,97.64 227.77,98.3 227.53,98.8 227.16,99.1 225.39,99.54 221.88,99.42 220.56,98.91 220.24,98.57 219.46,96.34 219.15,65.14 219.53,41.36 218.89,39.7 215.69,36.3 211.42,35.46 190.96,35.7 190.25,35.55 188.85,34.93 188.45,34.58 188.08,33.97 188.08,33.12 187.71,32.76 187.42,32.76 J8.K8